# Altium PCB LimeSDR-X3_1v0.PcbDoc (part 16 of 25)
Units mm, origin at the board's own origin, x right, y up, seen from the top; angles counter-clockwise.
Board outline 232.5 x 111.15 mm, 12 copper layers (Top, L2, L3, L4, L5, L6, L7, L8, L9, L10, L11, Bottom), stack 1.596 mm thick; 2057 components, 1391 nets, 8880 pads, 3657 vias.
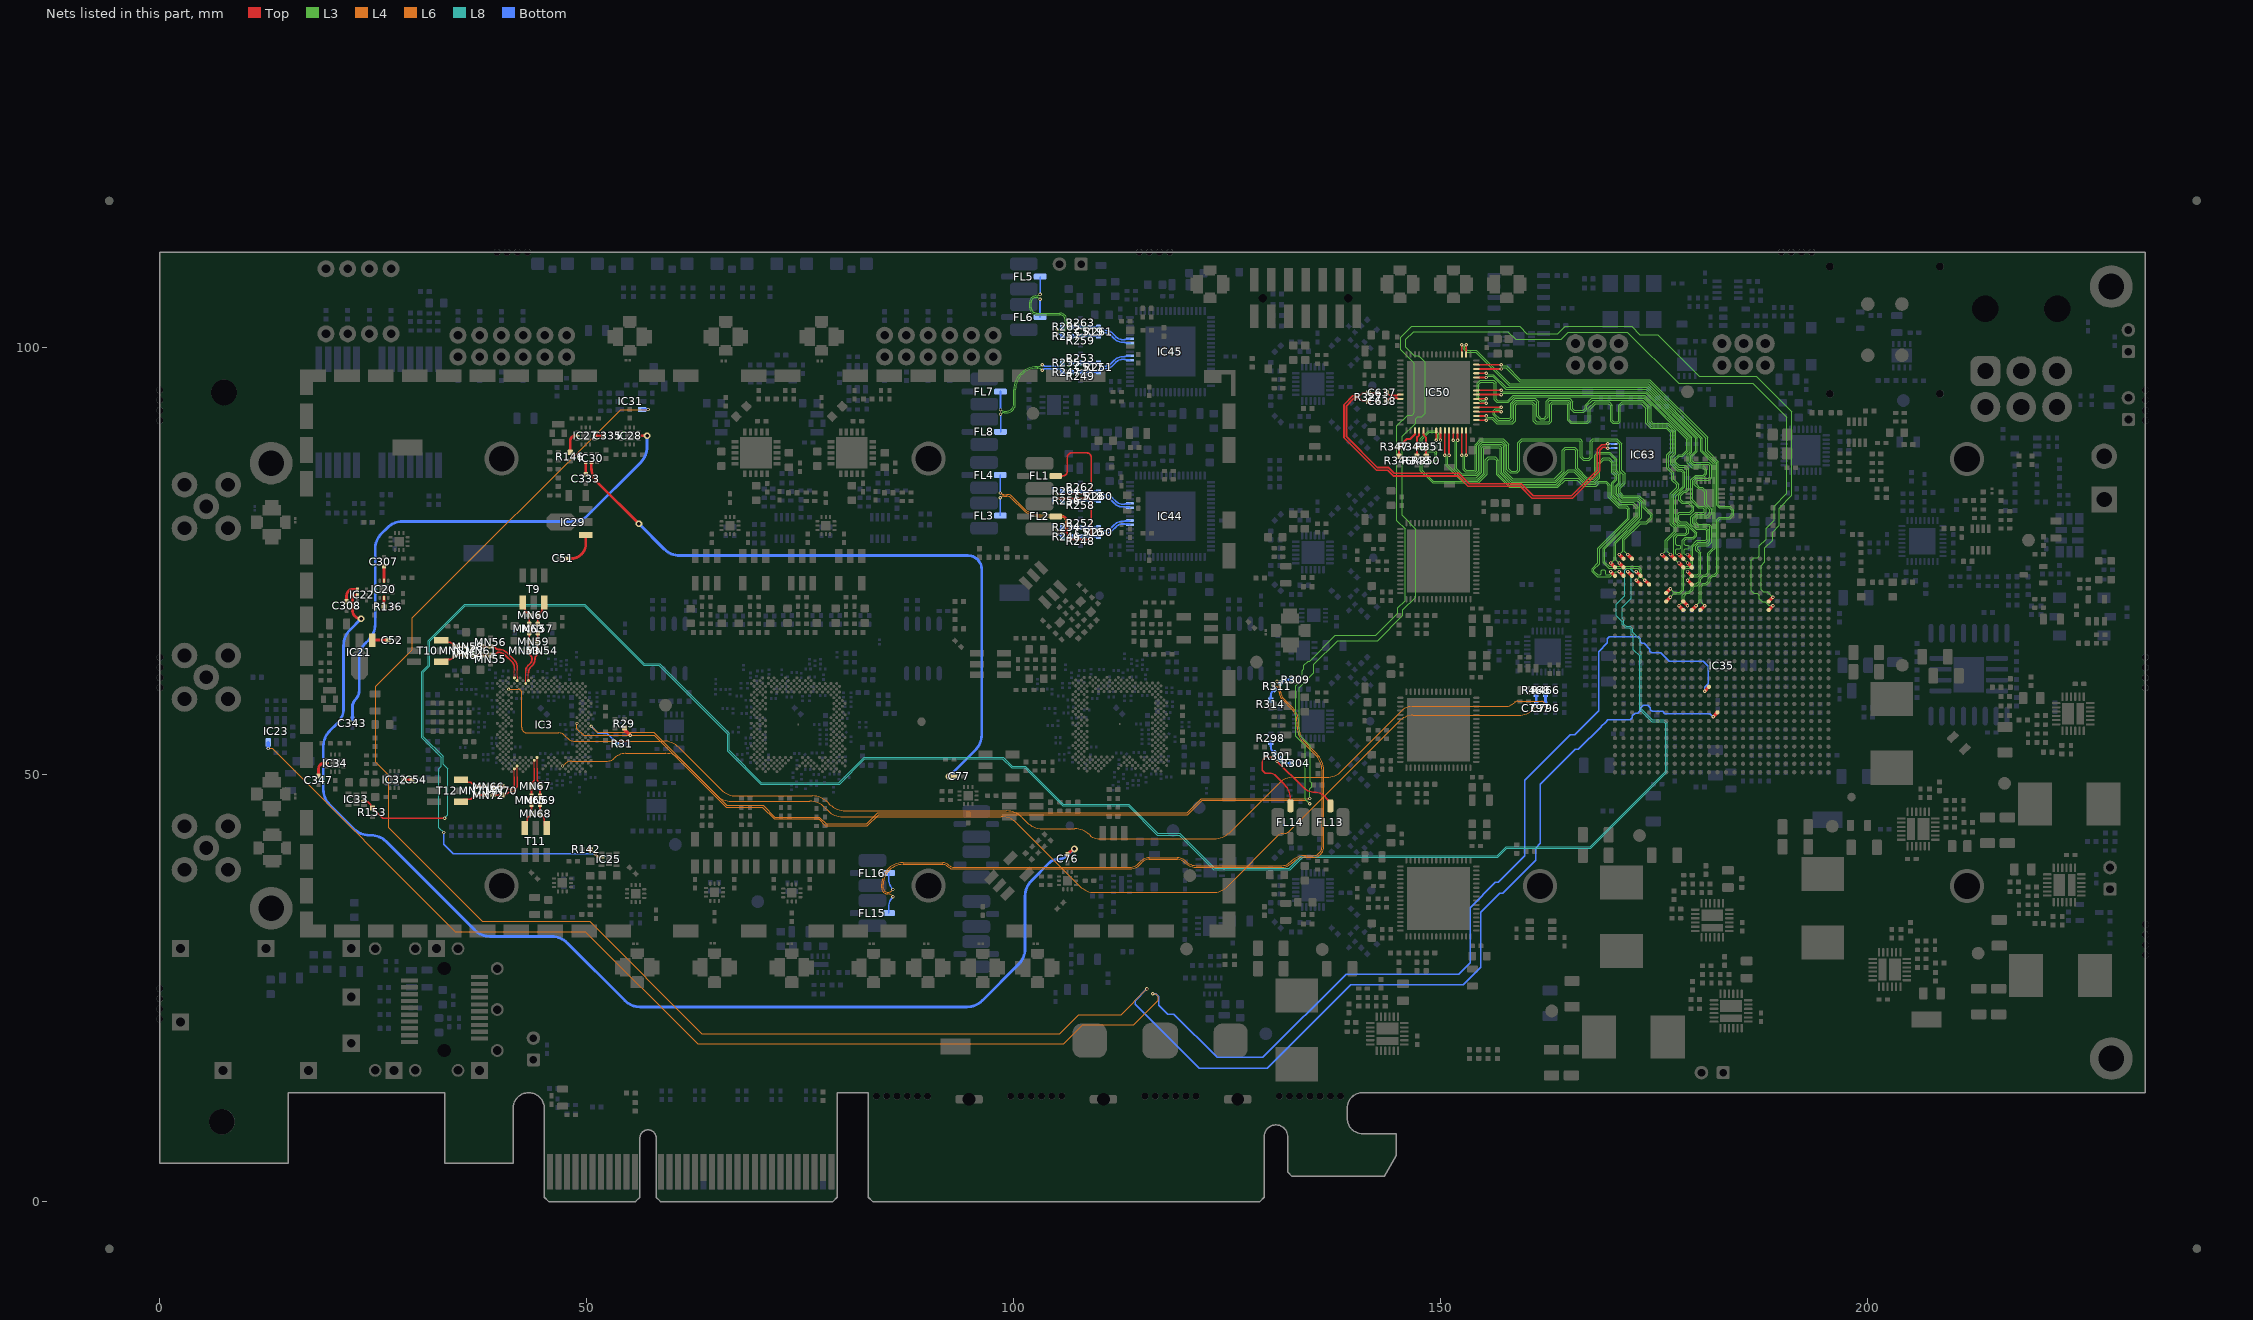
[diagram p26: the nets of this part, all layers, seen from the top]

## Via types
v1: diameter 0.4, hole 0.2, Top to Bottom, tented both sides, 3068 vias
v2: diameter 0.35, hole 0.2, Top to Bottom, tented both sides, 272 vias
v3: diameter 0.5, hole 0.2, Top to Bottom, tented bottom, 196 vias
v4: diameter 0.5, hole 0.2, Top to Bottom, tented both sides, 102 vias
v5: diameter 0.8, hole 0.4, Top to Bottom, tented both sides, 13 vias
v6: diameter 0.4, hole 0.2, Top to Bottom, tented top, 6 vias

## Nets (pads, with @x,y where several pads share a name; then routed paths per layer and width w, separated by ;. In a path a pad name is that pad's centre, name@x,y a point inside that pad or via, vN(x,y) a via of type N, cw(c..) or ccw(c..) an arc to the next point about the centre after c; other vN are vias at no path point) (continued)
LMS2_RX1_LNA_SD: IC25.6 IC35.AD23 R142.2 | length 242.9
  Top w0.2: R142.2@50.427,41.251 51.277,40.401 51.627,40.401 IC25.6@51.677,40.351
  Top w0.4: v1(172.875,73.775) IC35.AD23@173.375,73.275
  L8 w0.1: v1(33.225,43.225) 32.65,43.8 32.65,50.675 32.95,50.975 32.95,52.042 30.65,54.342 30.65,62.058 31.4,62.808 31.4,65.7 35.675,69.975 49.758,69.975 56.733,63 58.508,63 66.675,54.833 66.675,52.833 70.433,49.075 79.492,49.075 82.467,52.05 98.725,52.05 99.8,50.975 101.325,50.975 105.775,46.525 113.444,46.525 116.844,43.125 119.416,43.125 123.491,39.05 132.242,39.05 133.717,40.525 156.575,40.525 157.625,41.575 167.467,41.575 176.3,50.408 176.3,55.967 176.067,56.2 174.663,56.2 173.25,57.613 173.25,63.9 172.525,64.625 172.525,66.2 172.275,66.45 172.275,66.967 172.067,67.175 171.592,67.175 171.225,67.542 171.225,67.92 170.525,68.62 170.525,69.92 171.525,70.92 171.525,73.92 171.78,74.175 172.1,74.175 172.5,73.775 v1(172.875,73.775)
  Bottom w0.2: v1(33.225,43.225) 33.225,41.825 34.324,40.726 v1(50.952,40.726)
LMS2_RX2_BB_I_N: FL14.3 R298.2 R301.2 | length 10.3
  Top w0.15: v1(130.325,52.05) 129.7,52.05 ccw(c129.7,51.425) 129.075,51.425 129.075,50.7 ccw(c129.625,50.7) 129.625,50.15 130.004,50.15 cw(c130.004,49.254) 130.638,49.888 131.675,48.85 cw(c129.994,47.169) 132.371,47.169 FL14.3@132.371,46.341
  Bottom w0.254: R298.2@130.075,53.75 130.075,53.28 ccw(c130.884,53.28) 130.312,52.708 R301.2@130.531,52.489 cw(c129.971,52.489) v1@130.367,52.092
LMS2_RX2_BB_I_P: FL13.3 R301.1 R304.2 | length 10.3
  Top w0.15: v1(130.8,51.575) 133.877,48.498 ccw(c135.2,49.821) 135.2,47.95 cw(c135.2,46.26) 136.395,47.455 136.591,47.259 cw(c135.673,46.341) FL13.3@136.971,46.341
  Bottom w0.254: v1@130.842,51.617 cw(c131.239,51.221) R301.1@131.239,51.781 131.458,51.562 ccw(c132.03,52.134) 132.03,51.325 R304.2@132.5,51.325
LMS2_RX2_BB_Q_N: FL16.3 R309.2 R311.2 | length 81.8
  L4 w0.1: v1@85.847,36.494 cw(c85.899,36.547) v1(85.825,36.547) cw(c85.691,36.547) 85.786,36.452 cw(c85.236,37.002) 85.236,36.224 cw(c85.236,36.759) 84.7,36.759 84.7,37.15 cw(c87.025,37.15) 87.025,39.475 91.683,39.475 cw(c91.683,38.73) 92.209,39.259 cw(c91.683,38.73) 92.21,39.257 ccw(c92.951,39.997) 92.951,38.95 113.55,38.95 ccw(c113.55,40.599) 114.716,39.433 115.01,39.727 cw(c115.85,38.887) 115.85,40.075 119.095,40.075 cw(c119.095,38.795) 120.001,39.699 ccw(c121.327,41.026) 121.327,39.15 131.375,39.15 ccw(c131.375,40.799) 132.541,39.633 ; v1(130.8,60.925) ccw(c131.605,60.925) 131.036,60.356 ; 131.037,60.355 cw(c130.522,59.84) 131.25,59.84 131.25,59.625 ccw(c132.216,59.625) 131.533,58.942 132.664,57.811 cw(c131.007,56.154) 133.35,56.154 133.35,55.602 ccw(c135.89,55.602) 134.094,53.806 135.474,52.426 cw(c133.542,50.493) 136.275,50.493 136.275,41.55 cw(c135.05,41.55) 135.05,40.325 134.211,40.325 ccw(c134.211,37.963) 132.541,39.634
  Bottom w0.15: FL16.3@85.325,38.474 85.325,37.754 ccw(c87.032,37.754) v1(85.825,36.547)
  Bottom w0.254: v1@130.842,60.808 ccw(c131.239,61.204) 131.239,60.644 131.458,60.863 cw(c132.03,60.291) 132.03,61.1 R309.2@132.5,61.1
LMS2_RX2_BB_Q_P: FL15.3 R311.1 R314.2 | length 81.9
  L4 w0.1: v1(85.825,35.701) ccw(c85.691,35.701) 85.786,35.796 ccw(c85.236,35.246) 85.236,36.024 cw(c85.236,36.759) 84.5,36.759 84.5,37.15 cw(c87.025,37.15) 87.025,39.675 91.684,39.675 cw(c91.684,38.731) 92.35,39.4 ; 92.352,39.398 ccw(c92.954,40.004) 92.954,39.15 113.549,39.15 ccw(c113.549,40.601) 114.575,39.575 114.869,39.869 cw(c115.849,38.889) 115.849,40.275 119.096,40.275 cw(c119.096,38.798) 120.14,39.842 120.141,39.841 ccw(c121.328,41.028) 121.328,39.35 131.374,39.35 ccw(c131.374,40.801) 132.4,39.775 132.402,39.777 cw(c134.208,37.97) 134.208,40.525 135.05,40.525 ccw(c135.05,41.55) 136.075,41.55 136.075,50.49 ccw(c133.535,50.49) 135.331,52.286 133.952,53.665 cw(c135.888,55.601) 133.15,55.601 133.15,56.15 ccw(c130.996,56.15) 132.519,57.673 131.391,58.801 cw(c132.214,59.624) 131.05,59.624 131.05,59.839 ccw(c130.519,59.839) 130.895,60.214 ccw(c130.325,59.645) v1(130.325,60.45)
  Bottom w0.15: FL15.3@85.325,33.774 85.325,34.494 cw(c87.032,34.494) v1(85.825,35.701)
  Bottom w0.254: R314.2@130.075,58.75 130.075,59.22 cw(c130.884,59.22) 130.312,59.792 130.531,60.011 ccw(c129.971,60.011) v1@130.367,60.408
LMS2_RX2_H: C54.1 IC32.5 | length 1.1
  Top w0.325: IC32.5@28.366,49.407 IC32.5@28.466,49.407 C54.1@29.491,49.407
LMS2_RX2_H_LNA: C343.2 IC28.2 | length 60.7
  Top w0.325: IC28.2@55.9,89.67 IC28.2@56.011,89.67 v5(57.036,89.67)
  Bottom w0.325: C343.2@22.541,56.525 22.541,57.933 cw(c23.767,57.933) 22.9,58.8 ccw(c21.874,59.826) 23.325,59.826 23.325,63.598 cw(c25.865,63.598) 24.069,65.394 24.456,65.781 ccw(c22.66,67.577) 25.2,67.577 25.2,76.423 cw(c27.74,76.423) 25.944,78.219 26.631,78.906 cw(c28.427,77.11) 28.427,79.65 48.323,79.65 ccw(c48.323,82.19) 50.119,80.394 56.292,86.567 ccw(c54.496,88.363) 57.036,88.363 v5(57.036,89.67)
LMS2_RX2_IN: C347.1 IC34.2 | length 2.3
  Top w0.325: C347.1@18.575,49.825 18.575,50.716 cw(c19.191,50.716) 19.191,51.332 IC34.2@19.516,51.332 IC34.2@19.641,51.332
LMS2_RX2_LNA_SD: IC33.6 IC35.AD24 R153.2 | length 228.6
  Top w0.2: IC33.6@23.891,46.882 23.941,46.832 24.316,46.832 24.666,46.482 24.666,46.307 R153.2@24.866,46.107 26.073,44.9 v1(33.325,44.9)
  Top w0.4: v1(171.875,73.775) IC35.AD24@172.375,73.275
  L8 w0.1: v1(33.325,44.9) 33.325,44.92 33.7,45.295 33.7,50.675 33.15,51.225 33.15,52.125 30.85,54.425 30.85,61.975 31.6,62.725 31.6,65.617 35.758,69.775 49.675,69.775 56.65,62.8 58.425,62.8 66.475,54.75 66.475,52.75 70.35,48.875 79.575,48.875 82.55,51.85 98.642,51.85 99.717,50.775 101.242,50.775 105.692,46.325 113.361,46.325 116.761,42.925 119.333,42.925 123.408,38.85 132.325,38.85 133.8,40.325 156.658,40.325 157.708,41.375 167.55,41.375 176.5,50.325 176.5,56.05 176.15,56.4 174.746,56.4 173.45,57.696 173.45,64.325 173.325,64.45 173.325,65.82 172.475,66.67 172.475,67.05 172.15,67.375 171.675,67.375 171.425,67.625 171.425,68.096 171.225,68.296 171.225,69.62 172.275,70.67 172.275,73.375 v1(171.875,73.775)
LMS2_RXEN: IC3.V34 IC35.Y8 R31.2 | length 236.6
  Top w0.4: IC35.Y8@188.375,69.275 v1(188.875,69.775)
  L3 w0.1: v1(134.625,47.2) 134.625,48.35 134.85,48.575 134.85,49.025 134.695,49.18 134.695,53.385 133.4,54.681 133.4,60.192 135.125,61.917 135.125,62.926 137.899,65.7 142.592,65.7 145.55,68.658 145.55,69.276 147.05,70.776 147.05,71.166 147.05,78.75 145.45,80.35 145.45,89.592 147.025,91.167 147.025,91.642 147.283,91.9 147.758,91.9 148.15,92.292 148.15,98.303 147.403,99.05 146.875,99.05 145.9,100.025 145.9,100.961 146.814,101.875 157.85,101.875 158.775,100.95 164.075,100.95 164.925,101.8 171.817,101.8 177.817,95.8 186.517,95.8 190.5,91.817 190.5,82.942 189,81.442 189,79.758 188.1,78.858 188.1,77.583 187.3,76.783 187.3,75.625 187.075,75.4 186.642,75.4 186.325,75.083 186.325,71.547 186.647,71.225 187.042,71.225 187.3,70.967 187.3,70.572 187.647,70.225 188,70.225 188.413,69.812 188.838,69.812 v1(188.875,69.775)
  L4 w0.1: v2(50.49,55.673) 51.188,54.975 57.8,54.975 66.375,46.4 70.633,46.4 72.008,45.025 77.2,45.025 78,44.225 82.767,44.225 84.067,45.525 109.992,45.525 120.267,45.525 121.942,47.2 v1(134.625,47.2)
  Bottom w0.2: v2(50.49,55.673) 51.294,54.869 52.331,54.869 R31.2@53.606,53.594 cw(c53.582,53.569) R31.2@53.616,53.569
LMS2_RxPLL_CLK: C797.2 IC3.AM24 R468.1 | length 130.2
  L6 w0.1: v2(47.16,51.011) 47.37,51.221 cw(c48.241,50.35) 48.241,51.582 52.371,51.582 ccw(c52.371,52.754) 53.2,51.925 cw(c54.528,50.597) 54.528,52.475 59.223,52.475 cw(c59.223,49.935) 61.019,51.731 65.131,47.619 ccw(c66.927,49.415) 66.927,46.875 76.073,46.875 cw(c76.073,44.335) 77.871,46.129 78.181,45.819 ccw(c79.977,47.615) 79.977,45.075 98.523,45.075 cw(c98.523,42.535) 100.319,44.331 107.706,36.944 ccw(c109.502,38.74) 109.502,36.2 123.248,36.2 ccw(c123.248,38.74) 125.044,36.944 130.97,42.87 cw(c131.525,42.315) 131.525,43.1 ccw(c131.525,44.224) 132.32,43.429 145.232,56.341 cw(c146.702,54.87) 146.702,56.95 159.072,56.95 ccw(c159.072,59.49) 160.868,57.694 v1(161.15,57.976)
  Bottom w0.325: C797.2@161.15,58.276 R468.1@161.15,59.376
LMS2_RXRF1_HAB_N: IC3.AJ15 MN67.1 MN69.2 | length 4.6
  Top w0.11: 44.163,51.504 IC3.AJ15@44.163,52.01
  Top w0.14: 44.163,51.504 44.163,50.764 44.173,50.754
  Top w0.2: 44.173,50.754 44.173,49.482 ccw(c44.681,49.482) 44.321,49.122 44.354,49.09 cw(c43.995,48.731) 44.503,48.731 MN67.1@44.503,48.636 MN67.1@44.503,48.541 ; MN69.2@44.503,47.491 MN67.1@44.503,48.534
LMS2_RXRF1_HAB_P: IC3.AK14 MN65.2 MN67.2 | length 4.3
  Top w0.14: IC3.AK14@43.83,51.677 cw(c43.801,51.648) 43.842,51.648 43.842,50.764 43.833,50.754
  Top w0.2: MN65.2@43.503,47.491 43.503,48.541 MN67.2@43.503,48.636 43.503,48.731 cw(c44.011,48.731) 43.651,49.09 43.684,49.122 ccw(c43.325,49.482) 43.833,49.482 43.833,50.754
LMS2_RXRF1_HBB_N: MN68.1 MN69.1 T11.6 | length 3
  Top w0.2: MN68.1@44.503,45.391 44.904,44.99 cw(c44.665,44.751) 45.003,44.751 45.003,44.102 T11.6@45.348,43.757 ; MN68.1@44.503,45.441 MN69.1@44.503,46.491
LMS2_RXRF1_HBB_P: MN65.1 MN68.2 T11.4 | length 3
  Top w0.2: T11.4@42.658,43.757 43.003,44.102 43.003,44.751 cw(c43.34,44.751) 43.101,44.99 MN68.2@43.503,45.391 ; MN68.2@43.503,45.441 43.503,46.091 MN65.1@43.503,46.491
LMS2_RXRF2_HAB_N: IC3.AM8 MN70.1 MN72.2 | length 5.6
  Top w0.11: 41.832,50.505 IC3.AM8@41.832,51.011
  Top w0.14: 41.832,50.505 41.832,49.765 41.841,49.755
  Top w0.2: MN72.2@38.991,47.607 MN70.1@40.034,47.607 ; MN70.1@40.041,47.607 40.231,47.607 ccw(c40.231,48.115) 40.59,47.755 40.622,47.788 cw(c40.981,47.429) 40.981,47.937 ccw(c40.981,48.797) 41.841,48.797 41.841,49.408 41.841,49.755
LMS2_RXRF2_HAB_P: IC3.AN7 MN66.2 MN70.2 | length 4.8
  Top w0.14: IC3.AN7@41.499,50.678 cw(c41.47,50.649) 41.511,50.649 41.511,49.765 41.501,49.755
  Top w0.2: MN66.2@38.991,48.607 MN70.2@40.041,48.607 40.231,48.607 cw(c40.231,48.099) 40.59,48.458 40.622,48.425 ccw(c40.981,48.785) 40.981,48.277 ccw(c40.981,48.797) 41.501,48.797 41.501,49.408 41.501,49.755
LMS2_RXRF2_HBB_N: MN71.1 MN72.1 T12.6 | length 3
  Top w0.2: T12.6@35.256,46.762 35.601,47.107 36.251,47.107 ccw(c36.251,47.444) 36.49,47.205 MN71.1@36.891,47.607 ; MN71.1@36.941,47.607 MN72.1@37.991,47.607
LMS2_RXRF2_HBB_P: MN66.1 MN71.2 T12.4 | length 3
  Top w0.2: T12.4@35.256,49.452 35.601,49.107 36.251,49.107 cw(c36.251,48.769) 36.49,49.008 MN71.2@36.891,48.607 ; MN71.2@36.941,48.607 37.591,48.607 MN66.1@37.991,48.607
LMS2_TRX1: C307.1 IC20.2 | length 1.8
  Top w0.325: IC20.2@26.229,72.577 IC20.2@26.229,72.702 C307.1@26.229,74.414
LMS2_TRX1_TERM: IC20.8 R136.1 | length 1.2
  Top w0.325: R136.1@26.229,69.635 IC20.8@26.229,70.702 IC20.8@26.229,70.827
LMS2_TRX2: C335.1 IC27.8 | length 1.2
  Top w0.325: IC27.8@50.736,89.669 IC27.8@50.861,89.669 C335.1@51.936,89.67
LMS2_TRX2_TERM: IC27.2 R146.1 | length 2.6
  Top w0.325: R146.1@48.036,87.744 48.036,89.082 cw(c48.623,89.082) 48.623,89.669 IC27.2@48.861,89.669 IC27.2@48.986,89.67
LMS2_TX1_1: C52.1 IC21.1 | length 1.9
  Top w0.325: IC21.1@24.854,65.752 C52.1@26.704,65.752
LMS2_TX1_1_CPL_OUT: C76.2 IC22.2 | length 136.8
  Top w0.325: IC22.2@23.154,71.052 22.941,71.052 ccw(c22.941,70.639) 22.529,70.639 22.529,69.271 ccw(c23.55,69.271) v5(23.55,68.25) ; C76.2@106.275,40.65 106.275,40.7 106.362,40.788 106.412,40.788 106.834,41.209 v5@106.984,41.209
  Bottom w0.325: v5(23.55,68.25) 22.244,66.944 ccw(c24.04,65.148) 21.5,65.148 21.5,57.777 cw(c18.96,57.777) 20.756,55.981 19.869,55.094 ccw(c21.665,53.298) 19.125,53.298 19.125,48.277 ccw(c21.665,48.277) 19.869,46.481 22.706,43.644 ccw(c24.502,45.44) 24.502,42.9 24.698,42.9 cw(c24.698,40.36) 26.494,42.156 36.856,31.794 ccw(c38.652,33.59) 38.652,31.05 45.873,31.05 cw(c45.873,28.51) 47.669,30.306 54.431,23.544 ccw(c56.227,25.34) 56.227,22.8 94.498,22.8 ccw(c94.498,25.34) 96.294,23.544 100.556,27.806 ccw(c98.76,29.602) 101.3,29.602 101.3,35.773 cw(c103.84,35.773) 102.044,37.569 104.179,39.704 cw(c105.075,38.808) 105.075,40.075 ccw(c105.075,41.946) 106.398,40.623 v5(107.075,41.3)
LMS2_TX1_1_EN: IC23.3 IC35.L15 | length 230.6
  Top w0.4: v1(180.875,59.775) IC35.L15@181.375,60.275
  L6 w0.1: v1(12.675,53.057) 13.125,53.057 34.557,31.625 49.804,31.625 62.954,18.475 105.846,18.475 108.071,20.7 114.025,20.7 116.9,23.575 116.9,24 116.575,24.325 v1(116.25,24.325)
  Bottom w0.15: v1(116.25,24.325) 116.6,24.325 116.95,23.975 116.95,22.983 117.983,21.95 118.707,21.95 123.782,16.875 129.15,16.875 138.9,26.625 152.107,26.625 153.425,27.943 153.425,34.425 156.375,37.375 156.7,37.375 159.825,40.5 159.825,49.355 165.127,54.657 165.687,54.657 168.5,57.47 168.5,64.413 169.5,65.413 169.5,65.93 169.72,66.15 170.875,66.15 173.125,66.15 173.35,65.925 173.35,65.575 173.525,65.4 173.78,65.4 174.475,64.705 174.475,64.445 174.67,64.25 175.75,64.25 176.75,63.25 180.725,63.25 181.275,62.7 181.275,60.645 180.875,60.245 v1(180.875,59.775)
  Bottom w0.4: v1(12.675,53.057) IC23.3@12.675,53.762
LMS2_TX1_1_PA: C308.1 IC22.1 | length 2.4
  Top w0.325: C308.1@21.854,70.252 21.854,70.966 cw(c22.589,70.966) 22.589,71.702 IC22.1@23.104,71.702
LMS2_TX1_BB_DAC_I_N: C518.1 IC44.28 R256.1 R258.2 R260.1 | length 7.6
  Bottom w0.2: R256.1@106.702,82.052 R258.2@107.802,82.052 108.852,82.052 109.782,82.052 ccw(c109.782,82.223) R260.1@109.902,82.102 ; R260.1@109.782,82.054 ccw(c109.782,82.225) R260.1@109.902,82.102 110.091,82.292 ccw(c110.063,82.32) 110.102,82.32 cw(c110.142,82.32) 110.114,82.348 cw(c110.369,82.093) 110.369,82.454 110.662,82.454 cw(c110.662,81.512) 111.329,82.177 111.748,81.758 ccw(c112.725,82.735) 112.725,81.353 112.937,81.353 cw(c112.937,81.268) 112.998,81.328 ccw(c113.058,81.388) 113.058,81.303 113.457,81.303 cw(c113.457,81.132) IC44.28@113.578,81.253
LMS2_TX1_BB_DAC_I_P: C518.2 IC44.29 R260.2 R262.2 R264.1 | length 7.4
  Bottom w0.2: R264.1@106.702,83.152 R262.2@107.802,83.152 108.852,83.152 R260.2@109.782,83.152 ; R260.2@109.782,83.154 cw(c109.782,82.983) R260.2@109.902,83.104 ; R260.2@109.903,83.103 110.091,82.915 cw(c110.063,82.887) 110.102,82.887 ccw(c110.142,82.887) 110.114,82.859 ccw(c110.369,83.114) 110.369,82.754 110.666,82.754 cw(c110.666,81.521) 111.538,82.393 111.959,81.972 ccw(c112.728,82.741) 112.728,81.653 112.937,81.653 ccw(c112.937,81.738) 112.998,81.678 cw(c113.058,81.618) 113.058,81.703 113.457,81.703 ccw(c113.457,81.874) IC44.29@113.578,81.753
LMS2_TX1_BB_DAC_Q_N: C516.1 IC44.24 R246.1 R248.2 R250.1 | length 7.4
  Bottom w0.2: R246.1@106.702,77.852 R248.2@107.802,77.852 108.852,77.852 109.782,77.852 ccw(c109.782,78.023) R250.1@109.902,77.902 110.091,78.091 ccw(c110.063,78.119) 110.102,78.119 cw(c110.142,78.119) 110.114,78.147 cw(c110.369,77.892) 110.369,78.252 110.666,78.252 ccw(c110.666,79.485) 111.538,78.613 111.959,79.034 cw(c112.728,78.265) 112.728,79.353 112.937,79.353 cw(c112.937,79.268) 112.998,79.328 ccw(c113.058,79.388) 113.058,79.303 113.457,79.303 cw(c113.457,79.132) IC44.24@113.578,79.253
LMS2_TX1_BB_DAC_Q_P: C516.2 IC44.25 R250.2 R252.2 R254.1 | length 7.4
  Bottom w0.2: R254.1@106.702,78.952 R252.2@107.802,78.952 108.852,78.952 109.782,78.952 cw(c109.782,78.781) R250.2@109.902,78.902 110.091,78.714 cw(c110.063,78.686) 110.102,78.686 ccw(c110.142,78.686) 110.114,78.658 ccw(c110.369,78.913) 110.369,78.552 110.662,78.552 ccw(c110.662,79.494) 111.329,78.829 111.748,79.248 cw(c112.725,78.271) 112.725,79.653 112.937,79.653 ccw(c112.937,79.738) 112.998,79.678 cw(c113.058,79.618) 113.058,79.703 113.457,79.703 ccw(c113.457,79.874) IC44.25@113.578,79.753
LMS2_TX1_BB_I_N: FL2.1 R256.2 | length 15.5
  Top w0.2: FL2.1@104.9,80.225 105.7,80.225 cw(c105.7,79.675) 106.25,79.675 106.25,78.034 ccw(c106.759,78.034) 106.759,77.525 108.541,77.525 ccw(c108.541,78.034) 109.05,78.034 109.05,81.853 ccw(c108.574,81.853) 108.574,82.329 v1(105.075,82.329)
  Bottom w0.2: v1(105.075,82.329) cw(c105.075,81.484) 105.673,82.082 R256.2@105.702,82.052
LMS2_TX1_BB_I_P: FL1.1 R264.2 | length 15.5
  Top w0.2: FL1.1@104.9,84.975 105.7,84.975 ccw(c105.7,85.525) 106.25,85.525 106.25,87.166 cw(c106.759,87.166) 106.759,87.675 108.541,87.675 cw(c108.541,87.166) 109.05,87.166 109.05,83.347 cw(c108.574,83.347) 108.574,82.871 v1@105.075,82.871
  Bottom w0.2: v1(105.075,82.875) ccw(c105.075,83.72) 105.673,83.123 R264.2@105.702,83.152
LMS2_TX1_BB_Q_N: FL4.1 R246.2 | length 14.3
  L4 w0.1: v1(98.405,82.971) ccw(c98.822,83.388) 98.822,82.798 99.146,82.798 cw(c99.146,81.798) 99.853,82.505 101.214,81.144 ccw(c103.01,82.94) 103.01,80.4 105.4,80.4 cw(c105.4,79.525) 106.275,79.525 106.275,78.852 cw(c105.727,78.852) 105.727,78.304 105.492,78.304 ccw(c105.492,77.8) 105.136,78.156 cw(c105.075,78.217) v1(105.075,78.131)
  Bottom w0.2: v1(98.405,82.971) FL4.1@98.405,85.075 ; v1(105.075,78.131) cw(c105.075,77.286) 105.673,77.883 R246.2@105.702,77.852
LMS2_TX1_BB_Q_P: FL3.1 R254.2 | length 13.7
  L4 w0.1: v1(98.405,82.425) cw(c98.822,82.008) 98.822,82.598 99.145,82.598 cw(c99.145,81.796) 99.712,82.363 101.073,81.002 ccw(c103.009,82.938) 103.009,80.2 105.4,80.2 cw(c105.4,79.525) 106.075,79.525 106.075,78.871 cw(c105.708,78.871) 105.708,78.504 105.492,78.504 cw(c105.492,79.008) 105.136,78.651 ccw(c105.075,78.591) v1(105.075,78.677)
  Bottom w0.15: FL3.1@98.405,80.325 v1(98.405,82.425)
  Bottom w0.2: v1(105.075,78.677) ccw(c105.075,79.522) 105.673,78.924 R254.2@105.702,78.952
LMS2_TX2_1: C51.1 IC29.1 | length 4.2
  Top w0.325: C51.1@47.741,75.307 48.162,75.307 ccw(c48.162,77.005) 49.861,77.005 IC29.1@49.861,78.07
LMS2_TX2_1_CPL_OUT: C77.2 IC30.2 | length 78.3
  Top w0.325: IC30.2@50.511,86.544 50.511,85.991 ccw(c53.051,85.991) 51.255,84.195 v5(56.081,79.369) ; v5(92.39,49.787) C77.2@93.115,49.787
  Bottom w0.325: v5(56.081,79.369) 59.056,76.394 ccw(c60.852,78.19) 60.852,75.65 94.6,75.65 cw(c94.6,74.025) 96.225,74.025 96.225,54.674 cw(c93.685,54.674) 95.481,52.878 v5(92.39,49.787)
LMS2_TX2_1_EN: IC31.3 IC35.H14 | length 267.4
  Top w0.4: v1(181.875,56.775) IC35.H14@182.375,57.275
  L6 w0.1: v1(57.155,92.752) 53.944,92.752 29.567,68.375 29.567,64.625 25.275,60.333 25.275,51.45 26.8,49.925 26.8,43.774 37.749,32.825 50.301,32.825 63.451,19.675 105.349,19.675 107.574,21.9 112.569,21.9 v1(115.569,24.9)
  Bottom w0.15: v1(115.569,24.9) 114.2,23.531 114.2,23.1 121.675,15.625 129.668,15.625 139.418,25.375 152.625,25.375 154.675,27.425 154.675,33.907 156.893,36.125 157.218,36.125 161.075,39.982 161.075,41.4 161.65,41.975 161.65,48.864 165.725,52.94 166.1,52.94 168.793,55.632 168.793,55.637 169.305,56.15 169.311,56.15 169.561,56.4 172.175,56.4 172.425,56.65 172.425,56.875 172.75,57.2 173.025,57.2 173.375,57.55 173.375,57.825 173.7,58.15 174.2,58.15 174.5,57.85 174.5,57.62 174.72,57.4 175.95,57.4 176.2,57.15 181.5,57.15 v1(181.875,56.775)
  Bottom w0.4: IC31.3@56.45,92.752 v1(57.155,92.752)
LMS2_TX2_1_PA: C333.1 IC30.1 | length 1.3
  Top w0.325: C333.1@49.861,85.119 IC30.1@49.861,86.419
LMS2_TX2_BB_DAC_I_N: C519.1 IC45.28 R257.1 R259.2 R261.1 | length 7.4
  Bottom w0.2: R257.1@106.702,101.327 R259.2@107.802,101.327 108.852,101.327 R261.1@109.782,101.327 ; R261.1@109.782,101.329 ccw(c109.782,101.5) 109.902,101.379 110.091,101.567 ccw(c110.063,101.595) 110.102,101.595 cw(c110.142,101.595) 110.114,101.623 cw(c110.369,101.368) 110.369,101.729 110.662,101.729 cw(c110.662,100.787) 111.329,101.452 111.748,101.033 ccw(c112.725,102.009) 112.725,100.628 112.937,100.628 cw(c112.937,100.543) 112.998,100.603 ccw(c113.058,100.663) 113.058,100.578 113.457,100.578 cw(c113.457,100.407) IC45.28@113.578,100.528
LMS2_TX2_BB_DAC_I_P: C519.2 IC45.29 R261.2 R263.2 R265.1 | length 7.4
  Bottom w0.2: R265.1@106.702,102.427 R263.2@107.802,102.427 108.852,102.427 R261.2@109.782,102.427 ; R261.2@109.782,102.429 cw(c109.782,102.258) R261.2@109.902,102.379 ; R261.2@109.903,102.378 110.091,102.19 cw(c110.063,102.162) 110.102,102.162 ccw(c110.142,102.162) 110.114,102.134 ccw(c110.369,102.389) 110.369,102.029 110.666,102.029 cw(c110.666,100.796) 111.538,101.668 111.959,101.247 ccw(c112.728,102.016) 112.728,100.928 112.937,100.928 ccw(c112.937,101.013) 112.998,100.953 cw(c113.058,100.893) 113.058,100.978 113.457,100.978 ccw(c113.457,101.149) IC45.29@113.578,101.028
LMS2_TX2_BB_DAC_Q_N: C517.1 IC45.24 R247.1 R249.2 R251.1 | length 7.4